# Altium PCB BUCK.PcbDoc (part 2 of 3)
Units mm, origin at the board's own origin, x right, y up, seen from the top; angles counter-clockwise.
Board outline 96.27 x 96.01 mm, 6 copper layers (Top Layer, Mid Layer 1, Mid Layer 2, Mid Layer 3, Mid Layer 4, Bottom Layer), stack 1.509 mm thick; 169 components, 78 nets, 522 pads, 1244 vias.
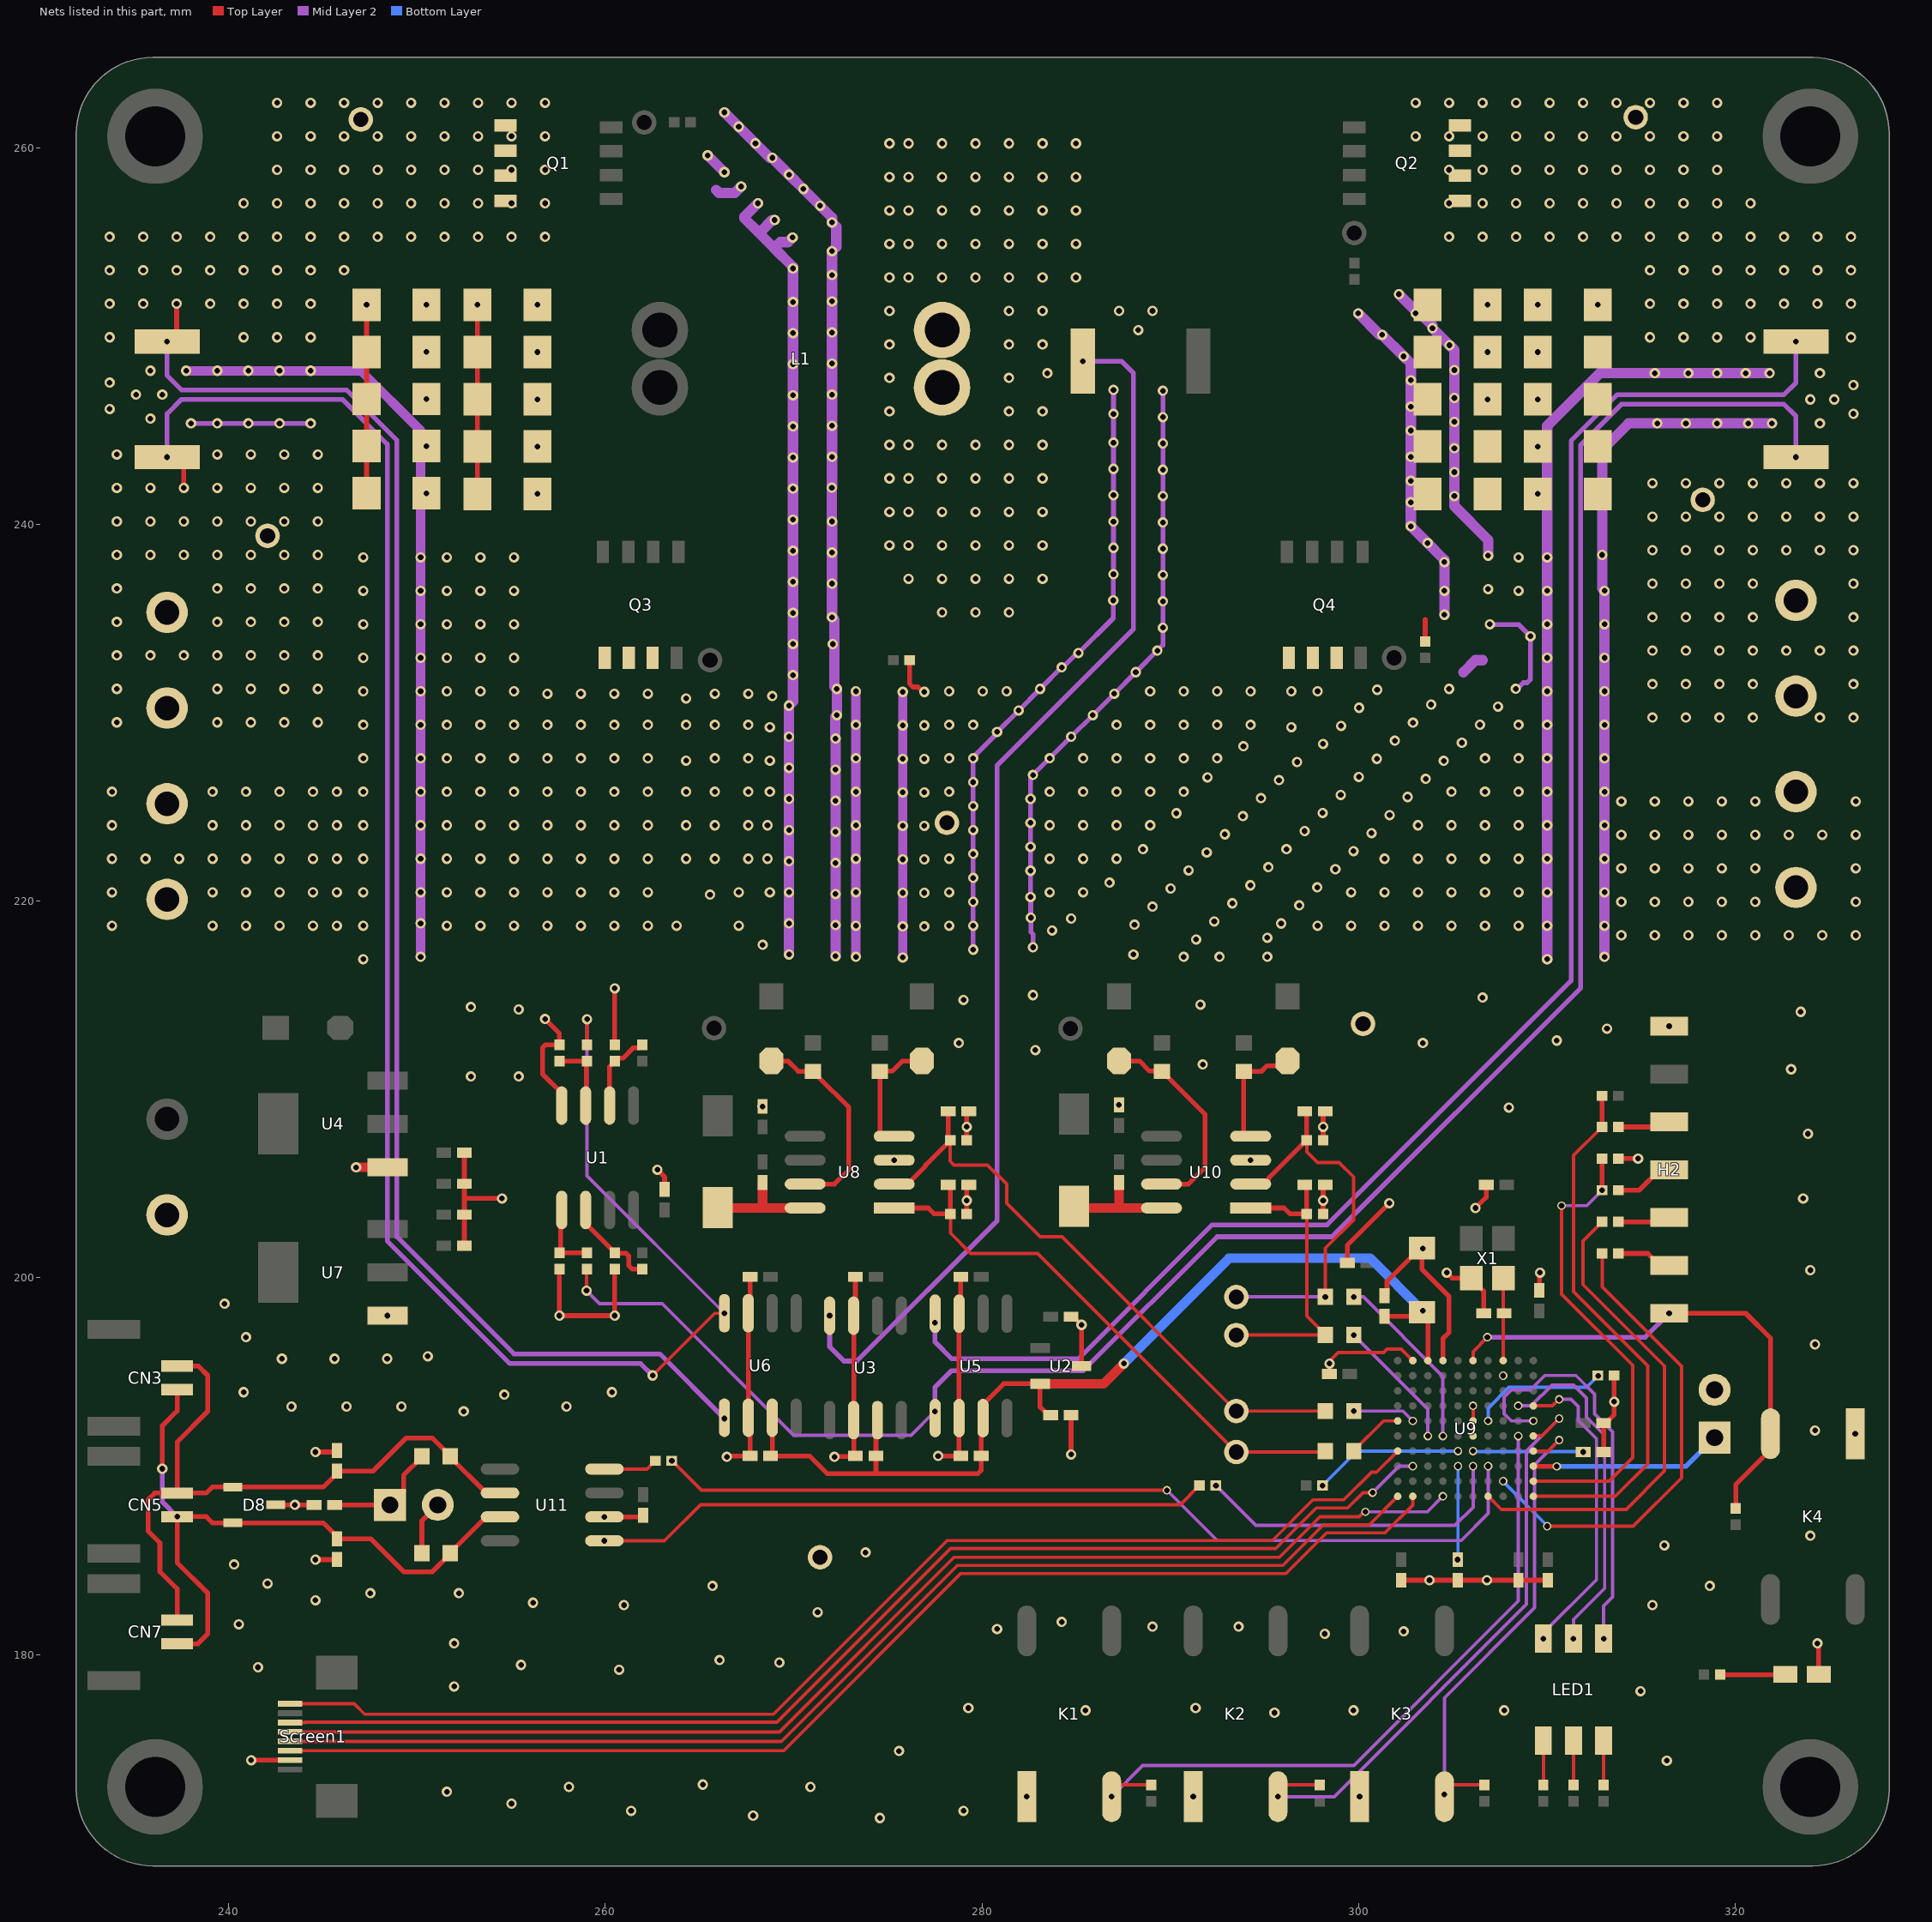
[diagram p6: the nets of this part, all layers, seen from the top]

## Via types
v1: diameter 0.55, hole 0.3, Top Layer to Bottom Layer, 1193 vias
v2: diameter 0.45, hole 0.3, Top Layer to Bottom Layer, 51 vias

## Nets (pads, with @x,y where several pads share a name; then routed paths per layer and width w, separated by ;. In a path a pad name is that pad's centre, name@x,y a point inside that pad or via, vN(x,y) a via of type N, cw(c..) or ccw(c..) an arc to the next point about the centre after c; other vN are vias at no path point) (continued)
C1N: C1.1 C2.2 C3.1 C4.1 C5.1 C6.1 C7.1 C8.2 C9.2 C10.2 C11.1 C12.1 C13.1 C14.2 C15.2 C16.2 C17.1 C18.2 C19.2 C20.2 C21.1 C22.1 C23.1 C24.2 C25.2 C26.2 C27.1 C28.1 C29.1 C30.2 C31.2 C32.2 C33.1 C34.2 C36.2 C37.1 C38.1 C39.2 C40.1 C41.2 C42.2 C43.2 C44.2 C45.1 C46.1 C47.1 C48.1 C50.2 C51.2 C52.1 C53.1 C54.1 C55.2 C56.1 C57.1 C58.1 CN4.2 CN6.1 CN6.2 CN8.1 CN8.2 D8.3 H1.2 H2.7 K1.1 K2.1 K3.1 K4.1 LED2.2 Q3.1 Q3.2 Q3.3 Q4.1 Q4.2 Q4.3 R7.2 R12.1 R18.1 R19.1 R21.1 R22.1 R28.1 R29.1 R32.1 R33.1 R35.1 R37.1 Screen1.2 TP5.1 TP6.1 TP7.1 U1.4 U2.3 U3.2 U3.7 U4.1 U5.2 U5.7 U6.2 U6.7 U7.1 U8.3 U9.C2 U9.E4 U9.E5 U9.E6 U9.G1 U9.J1 U10.3 U11.2 X1.2 | length 479.5
  Top Layer w0.178: C41.2@298.434,194.904 298.434,195.564 298.907,196.037 301.32,196.037 301.498,196.215 302.26,196.215 U9.J1@302.87,195.605 ; U9.E6@306.07,191.605 U9.E5@306.07,192.405 v2(306.07,193.205) ; C36.2@306.506,198.12 C36.2@306.631,198.12
  Top Layer w0.254: v1@241.173,174.371 v1(241.193,174.391) Screen1.2@243.248,174.391 ; D8.3@242.494,187.946 v1(243.512,187.946) C58.1@244.53,187.946 ; v1(244.602,185.039) 245.729,185.039 C57.1@245.745,185.055 ; v1(244.602,190.754) 245.664,190.754 C56.1@245.745,190.835 ; U4.1@248.43,205.867 U4.1@248.43,205.874 ; C29.1@252.511,201.713 C28.1@252.511,203.355 252.511,204.216 ; C12.1@252.511,206.64 252.511,204.216 ; v1(254.508,204.216) 252.511,204.216 ; v1(256.794,213.741) 257.56,212.975 R18.1@257.56,212.369 256.819,212.369 256.667,212.217 256.667,210.82 257.683,209.804 U1.4@257.683,209.147 ; R19.1@257.56,200.459 v1(257.56,197.993) v1(260.497,197.993) R12.1@260.497,200.459 ; v1(259.947,187.311) 261.919,187.311 C55.2@262.009,187.401 ; v1@260.477,215.392 v1(260.497,215.372) R7.2@260.497,212.369 ; v1(262.763,205.74) 263.144,205.359 C1.1@263.144,204.693 ; v1(266.446,190.5) 266.492,190.546 C4.1@267.679,190.546 267.679,192.554 267.589,192.554 267.589,198.098 267.679,198.098 C3.1@267.679,200.052 ; v1(272.161,190.5) 272.184,190.523 273.252,190.523 C5.1@273.275,190.546 ; C5.1@273.185,190.546 273.185,192.554 273.185,198.098 273.275,198.098 C22.1@273.275,200.052 ; R21.1@276.15,232.791 276.15,231.549 276.329,231.37 276.591,231.37 276.852,231.108 v1(276.932,231.108) ; v1@277.622,190.5 v1(277.668,190.546) C6.1@278.781,190.546 ; C6.1@278.871,190.546 C6.1@278.781,190.546 ; C23.1@278.871,200.052 278.871,198.098 U5.7@278.781,198.098 U5.2@278.781,192.554 C6.1@278.781,190.546 ; R28.1@279.184,203.393 v1(279.184,204.108) 279.184,204.822 C37.1@279.296,204.935 ; R29.1@279.184,207.309 v1(279.184,208.019) 279.184,208.729 C38.1@279.296,208.841 ; C7.1@284.726,192.715 284.726,190.635 v1(284.734,190.627) ; C2.2@284.726,197.935 284.851,197.935 v1(285.282,197.503) U2.3@285.282,195.326 ; R32.1@298.11,203.393 v1(298.11,204.108) 298.11,204.822 C52.1@298.222,204.935 ; R33.1@298.11,207.309 v1(298.11,208.019) 298.11,208.729 C53.1@298.222,208.841 ; C42.2@299.392,200.787 299.392,201.729 v1(301.625,203.962) ; C44.2@301.371,199.046 301.502,199.177 301.502,199.822 303.257,201.577 C39.2@303.357,201.577 303.357,200.452 304.8,199.009 304.8,197.104 304.47,196.774 U9.G1@304.47,195.605 U9.G1@304.498,195.633 ; C46.1@302.259,183.949 v1(303.757,183.949) C51.2@305.255,183.949 C45.1@310.047,183.949 ; R22.1@303.53,233.784 303.53,234.95 ; v1(304.673,200.279) 304.961,199.991 X1.2@305.982,199.991 305.982,199.941 306.631,199.292 C36.2@306.631,198.12 ; v1(306.197,203.708) 306.768,204.279 C34.2@306.768,204.943 ; C48.1@309.593,199.335 309.593,200.246 v1(309.626,200.279) ; C50.2@313.002,190.754 C47.1@313.002,192.291 313.127,192.291 313.563,192.727 v1(313.563,193.421) R35.1@313.563,194.818 ; R37.1@313.794,206.331 v1(314.833,206.331) ; v1(324.358,180.594) 324.422,180.53 LED2.2@324.422,178.943
  Top Layer w0.508: v1(246.761,205.867) U4.1@248.43,205.867
  Mid Layer 2 w0.254: v1(237.998,245.364) v1(239.395,245.364) v1(241.046,245.364) v1(242.697,245.364) v1(244.348,245.364) ; v1(279.527,217.424) v1(279.527,218.694) v1(279.527,219.964) v1(279.527,221.234) v1(279.527,222.504) v1(279.527,223.774) v1(279.527,225.044) v1(279.527,226.314) v1(279.527,227.584) 279.527,227.648 280.797,228.918 v1(280.797,228.981) v1(281.94,230.124) v1(283.083,231.267) v1(284.226,232.41) 284.289,232.41 285.051,233.172 v1(285.115,233.172) 286.968,235.025 v1(286.968,235.969) 286.972,235.973 286.972,237.353 v1(286.977,237.358) ; v1(282.702,217.551) 282.702,218.252 282.591,218.363 v1(282.591,219.12) 282.583,219.128 282.583,220.21 v1(282.575,220.218) v1(282.575,221.615) v1(282.575,222.885) v1(282.575,224.155) v1(282.575,225.425) 282.575,226.488 282.681,226.594 282.681,226.674 v1(282.702,226.695) v1(283.591,227.584) v1(284.734,228.727) v1(285.877,229.87) v1(287.02,231.013) v1(288.163,232.156) v1(289.306,233.299) 289.306,233.301 289.601,233.596 v1(289.601,234.519) v1(289.601,235.916) v1(289.601,237.313) v1(289.601,238.71) v1(289.601,240.107) v1(289.601,241.504) v1(289.601,242.901) v1(289.601,244.298) v1(289.601,245.695) v1(289.601,247.092) ; v1@286.977,237.278 v1(286.977,237.358) ; v1(286.977,247.137) v1(286.977,245.867) 286.977,245.842 v1(286.977,244.343) v1(286.977,242.946) v1(286.977,241.549) v1(286.977,240.152) v1(286.977,238.755) v1(286.977,237.358) ; 303.531,250.942 303.531,250.951 ; v1(306.959,234.696) 306.98,234.675 308.504,234.675 v1(309.118,234.061) 309.118,231.775 308.938,231.595 308.743,231.595 308.42,231.272 v1(308.34,231.272)
  Mid Layer 2 w0.5: v1(237.744,248.158) v1(239.395,248.158) v1(241.046,248.158) v1(242.697,248.158) v1(244.348,248.158) 247.015,248.158 250.19,244.983 ; v1(273.304,217.043) v1(273.304,218.694) v1(273.304,220.472) v1(273.304,222.25) v1(273.304,224.028) v1(273.304,225.806) v1(273.304,227.584) v1(273.304,229.362) v1(273.304,231.14) ; v1(275.789,217.011) v1(275.789,218.662) v1(275.789,220.44) v1(275.789,222.218) v1(275.789,223.996) v1(275.789,225.774) v1(275.789,227.552) v1(275.789,229.33) v1(275.789,231.108)
  Mid Layer 2 w0.508: v1(250.19,217.043) v1(250.19,218.821) v1(250.19,220.472) v1(250.19,222.25) v1(250.19,224.028) v1(250.19,225.806) v1(250.19,227.584) v1(250.19,229.362) v1(250.19,231.14) v1(250.19,232.918) v1(250.19,234.696) v1(250.19,236.474) v1(250.19,238.252) 250.19,244.983
  Mid Layer 2 w0.55: v1(265.43,259.588) v1(266.319,258.699) ; 265.881,257.753 266.036,257.599 266.87,257.599 v1(267.208,257.937) ; v1(266.319,261.874) v1(267.081,261.112) v1(267.97,260.223) 268.732,259.461 v1(268.859,259.461) v1(269.748,258.572) v1(270.51,257.81) v1(271.399,256.921) 272.034,256.286 v1(272.034,256.032) 272.262,255.804 272.262,254.736 v1(272.034,254.508) v1(272.034,253.238) v1(272.034,251.841) v1(272.034,250.19) v1(272.034,248.539) v1(272.034,246.888) v1(272.034,245.237) v1(272.034,243.586) 272.034,241.962 v1(272.021,241.949) 272.021,240.17 v1(272.034,240.157) v1(272.034,238.506) v1(272.034,236.855) v1(272.034,235.077) 272.161,234.95 272.161,231.394 v1(272.288,231.267) v1(272.288,229.87) 272.204,229.786 272.204,228.646 v1(272.218,228.632) v1(272.218,226.981) v1(272.218,225.33) v1(272.218,223.679) v1(272.218,222.028) v1(272.218,220.377) v1(272.218,218.726) v1(272.218,217.075) ; v1(268.097,257.048) 267.39,256.341 267.39,256.245 268.111,255.524 268.224,255.524 268.859,256.159 v1(268.986,256.159) ; 268.167,255.467 268.873,254.762 269.056,254.762 269.281,254.987 269.696,254.987 v1(269.939,255.23) ; 268.929,254.705 269.961,253.674 v1(269.961,253.588) v1(269.961,251.81) v1(269.961,250.159) v1(269.961,248.508) v1(269.961,246.857) v1(269.961,245.206) v1(269.961,243.555) v1(269.961,241.904) v1(269.961,240.253) v1(269.961,238.602) v1(269.961,236.951) v1(269.961,235.3) v1(269.961,233.649) v1(269.961,231.998) 269.961,230.591 v1(269.748,230.378) v1(269.748,228.727) v1(269.748,227.076) v1(269.748,225.425) v1(269.748,223.774) v1(269.748,222.123) v1(269.748,220.472) v1(269.748,218.821) v1(269.748,217.17) ; v1(299.974,251.206) 301.117,250.063 v1(301.244,250.063) v1(302.387,248.92) 302.768,248.539 v1(302.768,247.65) v1(302.768,246.253) v1(302.768,244.983) v1(302.768,243.586) v1(302.768,242.316) v1(302.768,241.173) v1(302.768,239.903) v1(303.657,239.014) 304.546,238.125 v1(304.546,237.998) v1(304.546,236.474) v1(304.546,235.204) ; v1(302.133,252.222) 303.022,251.333 v1(303.022,251.206) 303.276,251.206 303.531,250.951 ; 303.531,250.942 303.915,250.558 v1(303.915,250.416) 304.816,249.515 v1(304.823,249.515) 305.077,249.261 v1(305.077,248.193) v1(305.077,246.712) v1(305.077,245.442) v1(305.077,244.045) v1(305.077,242.775) v1(305.077,241.505) 305.077,240.973 306.872,239.178 v1(306.872,238.34) ; 305.562,232.156 306.197,232.791 306.578,232.791 ; v1(310.007,216.916) v1(310.007,218.694) v1(310.007,220.472) v1(310.007,222.25) v1(310.007,224.028) v1(310.007,225.806) v1(310.007,227.584) v1(310.007,229.362) v1(310.007,231.14) v1(310.007,232.918) v1(310.007,234.696) v1(310.007,236.474) v1(310.007,238.252) 310.007,245.237 312.801,248.031 v1(315.722,248.031) v1(317.5,248.031) v1(319.024,248.031) v1(320.548,248.031) v1(321.818,248.031) ; v1(313.055,217.043) v1(313.055,218.694) v1(313.055,220.472) v1(313.055,222.25) v1(313.055,224.028) v1(313.055,225.806) v1(313.055,227.584) v1(313.055,229.362) v1(313.055,231.14) v1(313.055,232.918) v1(313.055,234.696) v1(313.055,236.474) 312.928,236.601 v1(312.928,238.379) 312.928,243.967 314.325,245.364 v1(315.849,245.364) v1(317.373,245.364) v1(319.024,245.364) v1(320.675,245.364) v1(321.945,245.364)
  other v1: 274.574,171.323 267.843,171.45 261.366,171.704 279.019,171.704 255.016,172.085 282.377,172.459 291.213,172.459 300.048,172.459 251.587,172.72 258.064,172.974 270.891,172.974 265.176,173.101 316.357,174.371 275.59,174.879 295.529,176.911 285.496,177.038 299.72,177.038 307.721,177.038 279.273,177.165 291.338,177.165 314.96,178.054 251.968,178.308 260.731,179.197 241.554,179.324 255.524,179.451 269.24,179.578 266.065,179.705 251.968,180.594 298.196,181.102 302.387,181.229 280.797,181.356 289.052,181.483 293.624,181.483 240.538,181.61 284.226,181.737 271.272,182.245 260.985,182.626 315.595,182.626 256.159,182.753 244.602,182.88 247.523,183.261 252.222,183.261 265.684,183.642 318.643,183.642 242.062,183.769 306.807,183.952 240.284,184.785 273.812,185.42 316.23,185.801 323.977,186.309 326.365,191.725 324.231,191.897 252.476,192.913 243.332,193.167 246.253,193.167 249.174,193.167 257.937,193.167 254.635,193.802 240.792,193.929 260.35,193.929 298.45,195.453 242.824,195.707 245.618,195.707 248.412,195.707 250.571,195.834 324.231,196.469 240.919,196.85 248.43,197.993 239.776,198.628 323.977,200.406 303.403,201.549 323.596,204.216 275.336,206.248 294.262,206.248 323.85,207.645 307.975,209.042 268.343,209.101 287.268,209.178 252.857,210.693 255.397,210.693 322.961,211.074 291.719,211.328 282.829,212.09 278.765,212.471 303.403,212.471 310.515,212.598 313.182,213.233 316.484,213.36 323.469,214.122 255.397,214.249 252.857,214.376 291.592,214.503 279.019,214.757 306.578,214.884 282.702,215.011 247.142,216.916 290.703,217.043 292.608,217.043 295.148,217.043 288.036,217.17 268.351,217.678 291.369,217.963 295.148,218.059 313.944,218.186 315.722,218.186 317.5,218.186 319.278,218.186 321.056,218.186 322.834,218.186 324.612,218.186 326.39,218.186 283.718,218.44 276.932,218.662 233.807,218.694 239.141,218.694 240.919,218.694 242.697,218.694 244.475,218.694 245.745,218.694 247.142,218.694 251.587,218.694 253.365,218.694 255.143,218.694 256.921,218.694 258.699,218.694 260.477,218.694 262.255,218.694 263.779,218.694 267.081,218.694 278.257,218.694 297.815,218.694 299.593,218.694 301.371,218.694 303.149,218.694 304.927,218.694 306.705,218.694 308.483,218.694 288.093,218.751 295.882,218.814 292.328,218.922 284.734,219.075 289.052,219.71 296.841,219.773 293.288,219.882 313.944,219.964 315.722,219.964 317.5,219.964 319.278,219.964 321.056,219.964 326.39,219.964 265.557,220.345 276.932,220.44 233.807,220.472 239.141,220.472 240.919,220.472 242.697,220.472 244.475,220.472 245.745,220.472 247.142,220.472 251.587,220.472 253.365,220.472 255.143,220.472 256.921,220.472 258.699,220.472 260.477,220.472 262.255,220.472 267.081,220.472 268.732,220.472 278.257,220.472 283.591,220.472 285.369,220.472 299.593,220.472 301.371,220.472 303.149,220.472 304.927,220.472 306.705,220.472 308.483,220.472 290.011,220.669 297.801,220.733 294.247,220.841 286.766,220.98 290.971,221.629 298.76,221.692 313.944,221.742 315.722,221.742 317.5,221.742 319.278,221.742 321.056,221.742 326.39,221.742 295.206,221.8 276.932,222.218 233.807,222.25 235.585,222.25 237.363,222.25 239.141,222.25 240.919,222.25 242.697,222.25 244.475,222.25 245.745,222.25 247.142,222.25 251.587,222.25 253.365,222.25 255.143,222.25 256.921,222.25 258.699,222.25 260.477,222.25 262.255,222.25 264.287,222.25 265.811,222.25 267.589,222.25 268.605,222.25 278.257,222.25 283.591,222.25 285.369,222.25 287.147,222.25 301.371,222.25 303.149,222.25 304.927,222.25 306.705,222.25 308.483,222.25 291.93,222.588 299.719,222.652 288.544,222.758 296.166,222.76 313.944,223.52 315.722,223.52 317.5,223.52 319.278,223.52 321.056,223.52 322.834,223.52 324.612,223.52 326.39,223.52 292.889,223.547 300.679,223.611 297.125,223.719 276.932,223.996 233.807,224.028 239.141,224.028 240.919,224.028 242.697,224.028 244.475,224.028 245.745,224.028 247.142,224.028 251.587,224.028 253.365,224.028 255.143,224.028 256.921,224.028 258.699,224.028 260.477,224.028 262.255,224.028 264.287,224.028 265.811,224.028 267.589,224.028 268.605,224.028 283.591,224.028 285.369,224.028 287.147,224.028 288.925,224.028 303.149,224.028 304.927,224.028 306.705,224.028 308.483,224.028 293.849,224.507 301.638,224.57 290.322,224.663 298.084,224.678 313.944,225.298 315.722,225.298 317.5,225.298 319.278,225.298 321.056,225.298 326.39,225.298 294.808,225.466 302.598,225.53 299.044,225.638 276.932,225.774 233.807,225.806 239.141,225.806 240.919,225.806 242.697,225.806 244.475,225.806 245.745,225.806 247.142,225.806 251.587,225.806 253.365,225.806 255.143,225.806 256.921,225.806 258.699,225.806 260.477,225.806 262.255,225.806 264.287,225.806 265.811,225.806 267.589,225.806 268.732,225.806 278.257,225.806 283.591,225.806 285.369,225.806 287.147,225.806 288.925,225.806 290.703,225.806 304.927,225.806 306.705,225.806 308.483,225.806 295.768,226.426 303.557,226.489 291.973,226.568 300.003,226.597 296.727,227.385 264.287,227.457 268.732,227.457 304.516,227.448 276.932,227.552 300.963,227.557 247.142,227.584 251.587,227.584 253.365,227.584 255.143,227.584 256.921,227.584 258.699,227.584 260.477,227.584 262.255,227.584 265.811,227.584 267.589,227.584 278.257,227.584 285.369,227.584 287.147,227.584 288.925,227.584 290.703,227.584 292.481,227.584 306.705,227.584 308.483,227.584 293.878,228.219 298.102,228.344 305.476,228.408 301.922,228.516 268.732,229.235 296.418,229.235 299.061,229.304 276.932,229.33 247.142,229.362 251.587,229.362 253.365,229.362 255.143,229.362 256.921,229.362 258.699,229.362 260.477,229.362 262.255,229.362 264.287,229.362 265.811,229.362 267.589,229.362 278.257,229.362 279.527,229.362 287.147,229.362 288.925,229.362 290.703,229.362 292.481,229.362 294.259,229.362 306.435,229.367 308.483,229.362 302.881,229.475 300.021,230.263 307.394,230.327 303.841,230.435 264.287,230.759 268.859,230.886 256.921,231.013 258.699,231.013 260.477,231.013 262.255,231.013 265.811,231.013 267.589,231.013 247.142,231.14 251.587,231.14 253.365,231.14 255.143,231.14 278.257,231.14 280.035,231.14 281.305,231.14 288.925,231.14 290.703,231.14 292.481,231.14 294.259,231.14 296.418,231.14 297.815,231.14 300.98,231.222 304.8,231.267 247.142,232.918 251.587,232.918 253.365,232.918 255.143,232.918 272.071,233.647 247.142,234.696 251.587,234.696 253.365,234.696 255.143,234.696 247.142,236.474 251.587,236.474 253.365,236.474 255.143,236.474 308.483,236.474 306.872,236.562 247.142,238.252 251.587,238.252 253.365,238.252 255.143,238.252 308.483,238.252 256.388,241.623 309.501,241.623 250.504,241.657 256.388,244.131 309.501,244.131 250.504,244.157 324.485,245.364 235.839,245.618 326.263,245.872 233.68,246.126 256.388,246.639 309.501,246.639 323.977,246.634 325.247,246.634 250.504,246.656 235.077,246.888 236.474,246.888 326.263,247.396 233.68,247.523 324.485,248.031 235.839,248.158 250.504,249.156 256.388,249.148 309.501,249.148 288.29,250.317 287.274,251.333 289.052,251.333 250.504,251.656 256.388,251.656 309.501,251.656
  other v2: 307.67,194.805
C1P: C8.1 C9.1 C14.1 C15.1 C18.1 C19.1 C24.1 C25.1 C30.1 C31.1 Q1.5 Q1.6 Q1.7 Q1.8 R4.2 TP1.1 U6.1 | length 101.6
  Top Layer w0.254: v1(236.728,249.706) 237.236,249.706 v1(237.236,251.714) ; C18.1@247.319,241.657 C14.1@247.319,244.157 C15.1@247.319,246.656 C8.1@247.319,249.156 v1(247.319,251.656) ; C31.1@253.203,241.623 C24.1@253.203,244.131 C25.1@253.203,246.639 C30.1@253.203,249.148 v1(253.203,251.656)
  Mid Layer 2 w0.254: v1(236.728,249.706) 236.728,247.904 237.49,247.142 246.253,247.142 248.93,244.465 248.93,202.174 255.143,195.961 262.89,195.961 v1(266.319,192.532)
  other v1: 233.68,249.936 240.792,249.936 242.57,249.936 244.348,249.936 233.68,251.714 235.458,251.714 239.014,251.714 240.792,251.714 242.57,251.714 244.348,251.714 233.68,253.492 235.458,253.492 237.236,253.492 239.014,253.492 240.792,253.492 242.57,253.492 244.348,253.492 246.126,253.492 233.68,255.27 235.458,255.27 237.236,255.27 239.014,255.27 240.792,255.27 242.57,255.27 244.348,255.27 246.126,255.27 247.904,255.27 249.682,255.27 251.46,255.27 253.238,255.27 255.016,255.27 256.794,255.27 240.792,257.048 242.57,257.048 244.348,257.048 246.126,257.048 247.904,257.048 249.682,257.048 251.46,257.048 253.238,257.048 255.016,257.048 256.794,257.048 242.57,258.826 244.348,258.826 246.126,258.826 247.904,258.826 249.682,258.826 251.46,258.826 253.238,258.826 255.016,258.826 256.794,258.826 242.57,260.604 244.348,260.604 246.126,260.604 247.904,260.604 249.682,260.604 251.46,260.604 253.238,260.604 255.016,260.604 256.794,260.604 242.57,262.382 244.348,262.382 246.126,262.382 247.904,262.382 249.682,262.382 251.46,262.382 253.238,262.382 255.016,262.382 256.794,262.382
C2P: C10.1 C11.2 C16.1 C17.2 C20.1 C21.2 C26.1 C27.2 C32.1 C33.2 Q2.5 Q2.6 Q2.7 Q2.8 R6.1 TP2.1 U5.8 | length 87.5
  Mid Layer 2 w0.254: v1(277.495,197.612) 277.495,196.596 278.39,195.701 285.109,195.701 292.221,202.813 298.317,202.813 311.277,215.773 311.277,244.431 313.734,246.888 322.58,246.888 323.215,247.523 v1(323.215,249.706)
  other v1: 306.836,246.639 306.836,249.148 315.468,249.936 317.246,249.936 319.024,249.936 320.802,249.936 326.136,249.936 306.836,251.656 312.686,251.656 315.468,251.714 317.246,251.714 319.024,251.714 320.802,251.714 322.58,251.714 324.358,251.714 326.136,251.714 315.468,253.492 317.246,253.492 319.024,253.492 320.802,253.492 322.58,253.492 324.358,253.492 326.136,253.492 304.8,255.27 306.578,255.27 308.356,255.27 310.134,255.27 311.912,255.27 313.69,255.27 315.468,255.27 317.246,255.27 319.024,255.27 320.802,255.27 322.58,255.27 324.358,255.27 326.136,255.27 304.8,257.048 306.578,257.048 308.356,257.048 310.134,257.048 311.912,257.048 313.69,257.048 315.468,257.048 317.246,257.048 319.024,257.048 320.802,257.048 304.8,258.826 306.578,258.826 308.356,258.826 310.134,258.826 311.912,258.826 313.69,258.826 315.468,258.826 317.246,258.826 319.024,258.826 303.022,260.604 304.8,260.604 306.578,260.604 308.356,260.604 310.134,260.604 311.912,260.604 313.69,260.604 315.468,260.604 317.246,260.604 319.024,260.604 303.022,262.382 304.8,262.382 306.578,262.382 308.356,262.382 310.134,262.382 311.912,262.382 313.69,262.382 315.468,262.382 317.246,262.382 319.024,262.382
CAN_RX: R34.2 U11.4 | length 2.9
  Top Layer w0.178: U11.4@259.947,189.851 262.207,189.851 262.646,190.29 R34.2@262.659,190.29
CAN_TX: R24.2 U11.1 | length 32.8
  Top Layer w0.178: v2(259.947,186.041) 263.13,186.041 265.049,187.96 290.524,187.96 R24.2@291.54,188.976
CANH: C57.2 CN3.1 CN5.1 CN7.1 D8.2 R40.2 U11.7 | length 35.8
  Top Layer w0.254: v1(236.474,189.865) 236.474,192.151 237.26,192.937 CN3.1@237.26,194.066 ; CN7.1@237.26,180.575 238.36,180.575 238.887,181.102 238.887,183.261 237.26,184.888 v1(237.26,187.321) 238.805,187.321 239.13,186.996 D8.2@240.226,186.996 245.02,186.996 245.745,186.27 C57.2@245.745,186.145 247.545,186.145 249.301,184.39 250.806,184.39 251.763,185.346 R40.2@251.763,185.375 251.763,185.404 253.67,187.311 U11.7@254.403,187.311
  Mid Layer 2 w0.254: v1(236.474,189.865) 236.474,188.107 v1(237.26,187.321)
CANL: C56.2 CN3.2 CN5.2 CN7.2 D8.1 R39.2 U11.6 | length 37.2
  Top Layer w0.254: CN7.2@237.26,181.825 237.26,183.491 236.347,184.404 236.347,185.928 235.712,186.563 235.712,188.214 236.069,188.571 CN5.2@237.26,188.571 ; CN3.2@237.26,195.316 238.389,195.316 238.887,194.818 238.887,192.913 237.26,191.286 CN5.2@237.26,188.571 ; U11.6@254.403,188.581 253.673,188.581 251.763,190.49 R39.2@251.763,190.519 251.763,190.548 250.809,191.502 249.428,191.502 247.672,189.745 C56.2@245.745,189.745 245.745,189.62 245.02,188.896 D8.1@240.226,188.896 239.129,188.896 238.805,188.571 CN5.2@237.26,188.571
CS: Screen1.8 U9.K7 | length 64.8
  Top Layer w0.178: Screen1.8@243.248,177.391 246.662,177.391 247.218,176.835 268.923,176.835 278.143,186.055 295.415,186.055 297.574,188.214 299.212,188.214 300.677,189.679 300.944,189.679 U9.K7@302.07,190.805
Iin+: CN1.1 CN1.2 R4.1 R15.2 TP3.1 U6.8 | length 102.3
  Top Layer w0.178: v1(259.024,213.733) 259.024,212.373 R15.2@259.029,212.369 ; v1(262.509,194.818) 265.811,198.12 v1(266.319,198.12)
  Top Layer w0.254: v1(236.728,243.573) 237.617,243.573 v1(237.617,241.935)
  Mid Layer 2 w0.178: v1(259.024,213.733) 259.024,205.415 v1(266.319,198.12)
  Mid Layer 2 w0.254: v1(236.728,243.573) 236.728,245.872 237.49,246.634 246.043,246.634 248.422,244.255 248.422,201.964 254.933,195.453 261.874,195.453 v1(262.509,194.818)
  other v1: 234.061,229.489 239.395,229.489 241.173,229.489 242.951,229.489 244.729,229.489 234.061,231.267 239.395,231.267 241.173,231.267 242.951,231.267 244.729,231.267 234.061,233.045 235.839,233.045 237.617,233.045 239.395,233.045 241.173,233.045 242.951,233.045 244.729,233.045 234.061,234.823 239.395,234.823 241.173,234.823 242.951,234.823 244.729,234.823 234.061,236.601 239.395,236.601 241.173,236.601 242.951,236.601 244.729,236.601 234.061,238.379 235.839,238.379 237.617,238.379 239.395,238.379 241.173,238.379 242.951,238.379 244.729,238.379 234.061,240.157 235.839,240.157 237.617,240.157 239.395,240.157 241.173,240.157 242.951,240.157 244.729,240.157 234.061,241.935 235.839,241.935 239.395,241.935 241.173,241.935 242.951,241.935 244.729,241.935 234.061,243.713 239.395,243.713 241.173,243.713 242.951,243.713 244.729,243.713
IL+: L1.2 R5.1 U3.8 | length 64.9
  Mid Layer 2 w0.254: v1(271.907,197.993) 271.907,196.342 272.669,195.58 273.348,195.58 280.797,203.029 280.797,227.203 288.036,234.442 288.036,248.031 287.401,248.666 v1(285.351,248.666)
  other v1: 277.876,235.331 279.654,235.331 281.432,235.331 276.098,237.109 277.876,237.109 279.654,237.109 281.432,237.109 283.21,237.109 275.082,238.887 276.098,238.887 277.876,238.887 279.654,238.887 281.432,238.887 283.21,238.887 275.082,240.665 276.098,240.665 277.876,240.665 279.654,240.665 281.432,240.665 283.21,240.665 275.082,242.443 276.098,242.443 277.876,242.443 279.654,242.443 281.432,242.443 283.21,242.443 275.082,244.221 276.098,244.221 277.876,244.221 279.654,244.221 281.432,244.221 283.21,244.221 275.082,245.999 281.432,245.999 283.21,245.999 275.082,247.777 281.432,247.777 283.464,248.031 275.082,249.555 281.432,249.555 283.21,249.555 275.082,251.333 281.432,251.333 283.21,251.333 275.082,253.111 276.098,253.111 277.876,253.111 279.654,253.111 281.432,253.111 283.21,253.111 284.988,253.111 275.082,254.889 276.098,254.889 277.876,254.889 279.654,254.889 281.432,254.889 283.21,254.889 284.988,254.889 275.082,256.667 276.098,256.667 277.876,256.667 279.654,256.667 281.432,256.667 283.21,256.667 284.988,256.667 275.082,258.445 276.098,258.445 277.876,258.445 279.654,258.445 281.432,258.445 283.21,258.445 284.988,258.445 275.082,260.223 276.098,260.223 277.876,260.223 279.654,260.223 281.432,260.223 283.21,260.223 284.988,260.223
Iout-: CN2.1 CN2.2 R6.2 R17.1 TP4.1 U5.1 | length 111.3
  Top Layer w0.178: v1(258.999,199.321) 258.999,200.429 R17.1@259.029,200.459
  Mid Layer 2 w0.178: v1(258.999,199.321) 259.691,198.628 263.017,198.628 270.002,191.643 276.225,191.643 v1(277.495,192.913)
  Mid Layer 2 w0.254: v1(277.495,192.913) 277.495,194.183 278.384,195.072 285.369,195.072 292.481,202.184 298.577,202.184 311.785,215.392 311.785,244.221 313.944,246.38 322.58,246.38 323.215,245.745 v1(323.215,243.573)
  other v1: 315.595,229.743 317.373,229.743 319.151,229.743 320.929,229.743 324.485,229.743 326.263,229.743 315.595,231.521 317.373,231.521 319.151,231.521 320.929,231.521 326.263,231.521 315.595,233.299 317.373,233.299 319.151,233.299 320.929,233.299 322.707,233.299 324.485,233.299 326.263,233.299 315.595,235.077 317.373,235.077 319.151,235.077 320.929,235.077 326.263,235.077 315.595,236.855 317.373,236.855 319.151,236.855 320.929,236.855 326.263,236.855 315.595,238.633 317.373,238.633 319.151,238.633 320.929,238.633 322.707,238.633 324.485,238.633 326.263,238.633 315.595,240.411 317.373,240.411 319.151,240.411 320.929,240.411 322.707,240.411 324.485,240.411 326.263,240.411 315.595,242.189 317.373,242.189 319.151,242.189 320.929,242.189 322.707,242.189 324.485,242.189 326.263,242.189
Key1: K1.3 R9.1 U9.B6 | length 37.2
  Top Layer w0.178: v1(286.877,172.459) 286.877,172.705 287.257,173.085 R9.1@288.988,173.085
  Mid Layer 2 w0.178: v1(286.877,172.459) 288.536,174.117 299.744,174.117 308.47,182.843 v2(308.47,191.605)
Key2: K2.3 R10.1 U9.A6 | length 32.4
  Top Layer w0.178: v1(295.713,172.459) 295.713,172.705 296.092,173.085 R10.1@297.936,173.085 ; U9.A6@309.27,191.605 309.292,191.627 309.737,191.627 v2(310.642,192.532)
  Mid Layer 2 w0.178: v1(295.713,172.459) 298.697,172.459 308.902,182.664 308.902,190.792 v2(310.642,192.532)
Key3: K3.3 R11.1 U9.A7 | length 25.5
  Top Layer w0.178: K3.3@304.548,172.459 v1(304.548,172.582) 304.548,172.705 304.928,173.085 R11.1@306.666,173.085 ; U9.A7@309.27,190.805 310.058,190.805 v2(310.642,191.389)
  Mid Layer 2 w0.178: v1(304.548,172.582) 304.548,177.699 309.334,182.485 309.334,190.081 v2(310.642,191.389)
LEDB-: LED1.1 U9.A4 | length 16.6
  Top Layer w0.178: U9.A4@309.27,193.205 310.299,193.205 v2(310.642,193.548)
  Mid Layer 2 w0.178: v2(309.804,180.848) 309.821,180.865 309.821,181.17 312.623,183.972 312.623,191.464 311.658,192.429 311.658,193.167 311.277,193.548 v2(310.642,193.548)
LEDG-: LED1.5 U9.A5 | length 21.9
  Mid Layer 2 w0.178: v2(309.27,192.405) 308.102,192.405 307.721,192.786 307.721,193.675 308.102,194.056 309.118,194.056 309.88,194.818 311.531,194.818 312.522,193.827 312.522,192.787 313.487,191.822 313.487,183.058 313.004,182.575 v2(313.004,180.848)
LEDR-: LED1.3 U9.B4 | length 18.2
  Mid Layer 2 w0.178: v2(308.47,193.205) 309.156,193.205 310.261,194.31 311.404,194.31 312.09,193.624 312.09,192.608 313.055,191.643 313.055,183.515 311.404,181.864 v2(311.404,180.848)
NetC35_1: C35.1 D2.2 U8.8 | length 6
  Top Layer w0.254: D2.2@265.961,203.721 D2.2@265.974,203.708 ; 268.289,203.708 268.343,203.762
  Top Layer w0.508: D2.2@265.974,203.708 268.289,203.708 U8.8@270.604,203.708 ; 268.343,203.762 C35.1@268.343,205.068
NetC49_1: C49.1 D5.2 U10.8 | length 6
  Top Layer w0.254: D5.2@284.886,203.799 D5.2@284.977,203.708 ; 287.253,203.708 287.268,203.723
  Top Layer w0.508: D5.2@284.977,203.708 287.253,203.708 U10.8@289.529,203.708 ; 287.268,203.723 C49.1@287.268,205.068
NetC50_1: C50.1 U9.E7 | length 5.9
  Mid Layer 2 w0.178: v2(306.07,190.805) v2@306.095,190.78 ; v2@311.886,190.78 v2(311.912,190.754)
  Bottom Layer w0.178: v2(306.07,190.805) 306.095,190.78 311.886,190.78 v2(311.912,190.754)
NetC51_1: C51.1 U9.F8 | length 5.1
  Mid Layer 2 w0.178: v2@305.261,189.996 v2(305.27,190.005)
  Bottom Layer w0.178: v2@305.27,184.951 v2(305.27,190.005)
  other v2: 305.255,185.039
NetC58_2: C58.2 H3.1 R39.1 | length 6.2
  Top Layer w0.254: C58.2@245.62,187.946 H3.1@248.561,187.946 249.284,188.669 249.284,189.518 250.256,190.49 R39.1@250.256,190.519
NetD3_2: D3.2 R26.1 U8.7 | length 11.1
  Top Layer w0.254: D3.2@268.82,211.514 269.689,211.514 270.238,210.965 271.047,210.965 271.323,210.688 271.323,210.66 272.923,209.06 272.923,205.74 272.161,204.978 U8.7@270.604,204.978
NetD4_2: D4.2 R27.1 U8.4 | length 6.6
  Top Layer w0.254: U8.4@275.336,207.518 274.726,207.518 274.574,207.67 R27.1@274.574,210.965 274.586,210.976 275.238,210.976 275.776,211.514 D4.2@276.81,211.514
NetD6_2: D6.2 R30.1 U10.7 | length 11.3
  Top Layer w0.254: D6.2@287.268,211.514 288.358,211.514 288.896,210.976 289.548,210.976 R30.1@289.56,210.965 289.589,210.965 289.865,210.688 289.865,210.66 291.846,208.679 291.846,205.867 290.957,204.978 U10.7@289.529,204.978
NetD7_2: D7.2 R31.1 U10.4 | length 6.3
  Top Layer w0.254: U10.4@294.262,207.518 294.045,207.518 293.893,207.67 R31.1@293.893,210.965 294.843,210.965 295.138,211.26 295.962,211.26 D7.2@296.216,211.514
NetH3_2: H3.2 R40.1 | length 2.9
  Top Layer w0.254: R40.1@250.256,185.375 250.256,187.101 H3.2@251.101,187.946
NetH?_2: H2.2 R47.1 | length 3
  Top Layer w0.254: R47.1@313.794,201.295 315.349,201.295 315.984,200.66 H2.2@316.484,200.66
NetH?_3: H2.3 R45.1 | length 2.8
  Top Layer w0.254: R45.1@313.794,202.974 316.258,202.974 H2.3@316.484,203.2
NetH?_4: H2.4 R43.1 | length 3.1
  Top Layer w0.254: R43.1@313.794,204.652 314.896,204.652 315.984,205.74 H2.4@316.484,205.74
NetH?_5: H2.5 R41.1 | length 2.8
  Top Layer w0.254: R41.1@313.794,208.01 316.214,208.01 H2.5@316.484,208.28
NetLED1_2: LED1.2 R1.1 | length 2.4
  Top Layer w0.178: R1.1@309.804,173.085 LED1.2@309.804,175.438
NetLED1_4: LED1.4 R8.1 | length 2.4
  Top Layer w0.178: R8.1@311.404,173.085 LED1.4@311.404,175.438
NetLED1_6: LED1.6 R16.2 | length 2.4
  Top Layer w0.178: R16.2@313.004,173.085 LED1.6@313.004,175.438
NetLED2_1: LED2.1 R20.2 | length 3.5
  Top Layer w0.254: R20.2@319.194,178.936 322.638,178.936 LED2.1@322.644,178.943
NetR2_1: R2.1 R7.1 U1.2 | length 4.3
  Top Layer w0.254: U1.2@260.223,209.147 260.223,211.216 260.497,211.49 260.497,211.516 260.64,211.659 260.929,211.659 261.483,212.213 261.822,212.213 261.965,212.356 R2.1@261.965,212.369
NetR3_1: R3.1 R12.2 U1.6 | length 5
  Top Layer w0.254: U1.6@258.953,203.603 258.953,202.881 260.522,201.312 261.089,201.312 261.238,201.163 261.238,200.661 261.44,200.459 R3.1@261.965,200.459
NetR15_1: R15.1 R18.2 U1.3 | length 3.9
  Top Layer w0.254: R18.2@257.56,211.503 R15.1@259.029,211.503 258.991,211.465 258.991,209.185 U1.3@258.953,209.147
NetR17_2: R17.2 R19.2 U1.5 | length 3.8
  Top Layer w0.254: U1.5@257.683,203.603 257.622,203.541 257.622,201.386 R19.2@257.56,201.325 R17.2@259.029,201.325
NetR24_1: R24.1 U9.E8 | length 17.1
  Top Layer w0.178: R24.1@292.406,188.976 v1(292.419,188.976)
  Mid Layer 2 w0.178: v1(292.419,188.976) 294.54,186.855 305.104,186.855 306.07,187.821 v2(306.07,190.005)
NetR34_1: R34.1 U9.D8 | length 48.2
  Top Layer w0.178: R34.1@263.525,190.29 v2(263.531,190.29) 263.538,190.29 265.106,188.722 v2(289.814,188.722)
  Mid Layer 2 w0.178: v2(289.814,188.722) 292.481,186.055 305.435,186.055 306.87,187.49 v2(306.87,190.005)
NetR35_2: R35.2 U9.D5 | length 7.2
  Bottom Layer w0.178: v2(306.87,192.405) 306.87,193.078 307.975,194.183 312.1,194.183 v2(312.712,194.795)
NetR36_2: R36.2 U9.F7 | length 8
  Bottom Layer w0.178: v2@298.055,188.962 299.898,190.805 v2(305.27,190.805)
  other v2: 298.069,188.976
NetR42_1: R42.1 U9.J5 | length 3.4
  Mid Layer 2 w0.178: v2@299.756,192.905 v2(299.733,192.929) 302.346,192.929 v2(302.87,192.405)
NetR44_1: R44.1 U9.K5 | length 3
  Top Layer w0.178: R44.1@299.733,190.796 299.733,190.825 301.313,192.405 U9.K5@302.07,192.405
NetR46_1: R46.1 U9.G6 | length 9.6
  Mid Layer 2 w0.178: v2(299.733,198.987) 300.25,198.987 304.47,194.767 v2(304.47,191.605)
NetR48_1: R48.1 U9.H6 | length 7
  Mid Layer 2 w0.178: v2(299.733,196.964) 303.67,193.027 v2(303.67,191.605)
NRST: H2.1 K4.3 R25.2 U9.E1 | length 27.5
  Top Layer w0.178: U9.E1@306.07,195.605 306.07,196.088 v2(306.832,196.85)
  Top Layer w0.254: v1(316.484,198.12) 320.548,198.12 321.865,196.803 K4.3@321.865,191.725 321.865,190.875 320.015,189.025 R25.2@320.015,187.758
  Mid Layer 2 w0.254: v2(306.832,196.85) 315.214,196.85 v1(316.484,198.12)
OSC_IN: C36.1 U9.C1 X1.3 | length 4.4
  Top Layer w0.178: U9.C1@307.67,195.605 307.67,198.069 C36.1@307.721,198.12 307.682,198.159 X1.3@307.682,199.991
PWM_IN: H1.1 U9.A8 | length 10.3
  Top Layer w0.254: U9.A8@309.27,190.005 309.283,189.992 v2(310.515,189.992)
  Bottom Layer w0.254: v2(310.515,189.992) 317.373,189.992 H1.1@318.897,191.516
PWMAH: C37.2 R28.2 R44.2 TP20.1 U8.1 | length 30.5
  Top Layer w0.178: R28.2@278.318,203.393 278.318,202.377 279.4,201.295 282.956,201.295 TP20.1@293.497,190.754 298.184,190.754 R44.2@298.226,190.796
  Top Layer w0.254: U8.1@275.336,203.708 277.143,203.708 277.458,203.393 R28.2@278.318,203.393 278.318,204.822 C37.2@278.206,204.935
PWMAL: C38.2 R29.2 R42.2 TP19.1 U8.2 | length 32.7
  Top Layer w0.178: R29.2@278.306,207.309 278.306,206.199 278.511,205.994 280.289,205.994 281.305,204.978 281.305,203.962 283.083,202.184 284.242,202.184 TP19.1@293.497,192.929 R42.2@298.226,192.929
  Top Layer w0.254: U8.2@275.336,204.978 276.043,204.978 277.003,205.938 277.003,205.994 278.163,207.153 278.163,207.166 R29.2@278.306,207.309 ; C38.2@278.206,208.841 278.206,207.309 R29.2@278.306,207.309 ; R29.2@278.318,207.309 R29.2@278.306,207.309
PWMBH: C52.2 R32.2 R48.2 TP22.1 U10.1 | length 16.3
  Top Layer w0.178: TP22.1@293.497,196.964 R48.2@298.226,196.964 298.226,196.993 297.244,197.975 R32.2@297.244,203.393
  Top Layer w0.254: U10.1@294.262,203.708 296.037,203.708 296.352,203.393 R32.2@297.244,203.393 297.244,204.822 C52.2@297.132,204.935
PWMBL: C53.2 R33.2 R46.2 TP21.1 U10.2 | length 20.9
  Top Layer w0.178: R33.2@297.244,207.309 297.244,206.692 297.815,206.121 298.958,206.121 299.72,205.359 299.72,203.073 298.226,201.579 v2(298.226,198.987)
  Top Layer w0.254: U10.2@294.262,204.978 294.969,204.978 295.2,205.209 295.2,205.278 297.231,207.309 R33.2@297.244,207.309 297.244,208.729 C53.2@297.132,208.841
  Mid Layer 2 w0.178: TP21.1@293.497,198.987 v2(298.226,198.987)
RESET: Screen1.3 U9.J10 | length 64.9
  Top Layer w0.178: Screen1.3@243.882,174.898 269.464,174.898 278.869,184.302 296.141,184.302 298.3,186.461 301.396,186.461 302.87,187.935 U9.J10@302.87,188.405
RS: Screen1.4 U9.K10 | length 64.2
  Top Layer w0.178: Screen1.4@243.248,175.391 269.347,175.391 278.69,184.734 295.962,184.734 298.121,186.893 300.558,186.893 U9.K10@302.07,188.405
SCL: Screen1.6 U9.J8 | length 64.6
  Top Layer w0.178: 243.91,176.398 244.04,176.398 244.045,176.403 269.101,176.403 278.322,185.623 295.594,185.623 297.753,187.782 299.415,187.782 300.228,188.595 v2(300.736,188.595)
  Mid Layer 2 w0.178: v2(300.736,188.595) 302.146,190.005 v2(302.87,190.005)
SDA: Screen1.5 U9.G10 | length 66.4
  Top Layer w0.178: Screen1.5@243.248,175.891 246.257,175.891 246.253,175.895 269.24,175.895 278.511,185.166 295.783,185.166 297.942,187.325 300.027,187.325 300.281,187.579 v2(300.355,187.579)
  Mid Layer 2 w0.178: v2(300.355,187.579) 303.644,187.579 v2(304.47,188.405)
SWCLK: R37.2 R43.2 U9.A9 | length 24.9
  Top Layer w0.178: U9.A9@309.27,189.205 313.296,189.205 314.541,190.45 314.541,195.364 310.769,199.136 v2(310.769,203.835)
  Top Layer w0.254: v2(312.928,204.652) R37.2@312.928,206.331
  Mid Layer 2 w0.178: v2(310.769,203.835) 312.111,203.835 v2(312.928,204.652)
SWDIO: R38.2 R41.2 U9.A10 | length 28.6
  Top Layer w0.178: U9.A10@309.27,188.405 313.627,188.405 315.341,190.119 315.341,195.326 311.404,199.263 311.404,206.502 R41.2@312.92,208.018
  Top Layer w0.254: R41.2@312.928,208.01 R38.2@312.928,209.661
USART1_RX: R45.2 U9.D10 | length 25.9
  Top Layer w0.178: U9.D10@306.87,188.405 307.569,187.706 314.198,187.706 316.239,189.747 316.239,195.317 311.912,199.644 311.912,201.958 R45.2@312.928,202.974
USART1_TX: R47.2 U9.C9 | length 25.2
  Top Layer w0.178: v2(310.007,186.817) 314.579,186.817 317.137,189.375 317.137,195.308 312.928,199.517 R47.2@312.928,201.295
  Bottom Layer w0.178: v2(307.67,189.205) 307.67,189.179 310.007,186.843 v2(310.007,186.817)
Vref+: C4.2 C5.2 C6.2 C7.2 C39.1 C44.1 U2.2 U3.3 U5.3 U6.3 U9.H1 | length 54.7
  Top Layer w0.254: U6.3@268.859,192.554 268.859,190.636 cw(c268.769,190.636) C4.2@268.769,190.546 268.859,190.546 270.845,190.546 271.78,189.611 274.32,189.611 ; U3.3@274.455,192.554 ccw(c274.455,192.464) 274.365,192.464 C5.2@274.365,190.546 274.365,189.656 274.32,189.611 ; C7.2@283.636,192.715 283.511,192.715 283.079,193.146 U2.2@283.079,194.376 281.145,194.376 280.051,193.282 U5.3@280.051,192.554 ccw(c280.051,192.464) 279.961,192.464 C6.2@279.961,190.546 279.961,189.791 279.781,189.611 274.32,189.611 ; C44.1@301.371,197.956 303.135,197.956 C39.1@303.357,198.177 303.67,197.864 U9.H1@303.67,195.605
  Top Layer w0.508: U2.2@283.079,194.376 286.451,194.376 v1(287.528,195.453)
  Bottom Layer w0.508: v1(287.528,195.453) 293.116,201.041 300.609,201.041 v1(303.403,198.247)
pads on no net: CN3.3 CN3.4 CN5.3 CN5.4 CN7.3 CN7.4 K1.2 K1.4 K2.2 K2.4 K3.2 K3.4 K4.2 K4.4 M1.1 M2.1 M3.1 M4.1 Screen1.0 U3.4 U5.4 U6.4 U9.A1 U9.A2 U9.A3 U9.B1 U9.B3 U9.B5 U9.B7 U9.B8 U9.B9 U9.B10 U9.C3 U9.C4 U9.C5 U9.C6 U9.C7 U9.C8 U9.C10 U9.D1 U9.D3 U9.D4 U9.D6 U9.D7 U9.D9 U9.E2 U9.E3 U9.E9 U9.E10 U9.F9 U9.G2 U9.G3 U9.G4 U9.G5 U9.G7 U9.G8 U9.G9 U9.H2 U9.H3 U9.H4 U9.H5 U9.H7 U9.H8 U9.H9 U9.H10 U9.J3 U9.J4 U9.J6 U9.J7 U9.J9 U9.K3 U9.K4 U9.K6 U9.K8 U9.K9 U11.5 U11.8 X1.1

## Polygon pours and split planes (outlines as drawn)
C1N on Mid Layer 2 "C1N_L03_P001" (solid, remove dead copper, pour order 1): 232.791,216.662 232.791,256.413 240.284,256.413 240.284,263.906 319.659,263.906 319.659,256.413 327.152,256.413 327.152,216.662
C1N on Mid Layer 1 "C1N_L02_P002" (solid, remove dead copper, pour order 2): 232.791,217.551 232.791,177.165 240.284,177.165 240.284,169.545 319.786,169.545 319.786,177.165 327.152,177.165 327.152,217.551
C1N on Mid Layer 3 "C1N_L04_P003" (solid, remove dead copper, pour order 3): 232.791,256.413 237.744,256.413 ccw(c237.744,258.953) 240.284,258.953 240.284,263.906 319.659,263.906 319.659,258.953 ccw(c322.199,258.953) 322.199,256.413 327.152,256.413 327.152,177.165 319.786,177.165 319.786,169.545 240.284,169.545 240.284,177.165 232.791,177.165
+3V3 on Mid Layer 4 "+3V3_L05_P004" (solid, remove dead copper, pour order 4): 232.791,215.265 327.152,215.265 327.152,177.165 319.786,177.165 319.786,169.545 240.284,169.545 240.284,177.165 232.791,177.165
C1N on Bottom Layer "C1N_L06_P005" (solid, remove dead copper, pour order 5): 232.791,177.165 240.284,177.165 240.284,169.545 319.786,169.545 319.786,177.165 327.152,177.165 327.152,217.297 232.791,217.297

## Other copper
Top Layer:
  region net C2P: 327.152,249.047 313.69,249.047 313.69,240.411 311.785,240.411 311.785,253.365 307.594,253.365 307.594,240.411 306.197,240.411 306.197,253.365 300.99,253.365 300.99,263.906 319.659,263.906 319.659,260.604 ccw(c323.85,260.604) 323.85,256.413 327.152,256.413
  region net C1P: 232.791,249.047 246.253,249.047 246.253,240.411 248.158,240.411 248.158,253.365 252.349,253.365 252.349,240.411 254.127,240.411 254.127,253.365 259.064,253.365 259.064,263.906 240.284,263.906 240.284,260.604 cw(c236.093,260.604) 236.093,256.413 232.791,256.413
  region net IL+: 273.304,257.048 266.446,263.906 273.304,263.906
  region net +3V3: 249.301,200.78 243.205,200.78 243.205,200.018 243.459,199.764 249.301,199.764
  region net +5: 249.301,208.661 243.205,208.661 243.205,207.899 243.459,207.645 249.301,207.645
  region net C1N: 299.141,233.493 299.141,230.886 277.241,230.886 277.241,233.493 299.141,233.493
  region net C1N: 299.141,233.493 299.141,230.886 277.241,230.886 277.241,233.493 299.141,233.493
  region net C1N: 299.141,233.493 299.141,230.886 277.241,230.886 277.241,233.493 299.141,233.493
  region net B_HS: 298.577,258.445 298.577,251.206 301.503,248.28 301.495,234.188 290.83,234.188 290.83,250.825 287.147,254.508 287.147,258.445
  region net A_HS: 259.715,260.148 259.715,252.73 257.937,252.73 257.937,234.188 268.989,234.188 268.982,254.512 263.346,260.148
  region net Iout-: 327.152,228.854 314.579,228.854 314.579,244.348 327.152,244.348
  region net B_HS: 300.355,258.191 300.355,263.906 287.147,263.906 287.147,258.191
  region net IL+: 273.05,234.188 286.004,234.188 286.004,263.906 273.05,263.906
  region net Iin+: 232.791,228.219 245.364,228.219 245.364,244.348 232.791,244.348
  region net C1N: 232.791,227.203 246.253,227.203 246.253,239.522 249.809,239.522 249.809,252.476 251.206,252.476 251.206,239.522 255.651,239.522 255.651,252.476 257.048,252.476 257.048,233.519 262.851,233.519 262.851,231.648 269.113,231.648 299.212,231.648 309.372,231.648 309.372,234.569 302.895,234.569 302.895,252.476 304.419,252.476 304.419,239.522 308.737,239.522 308.737,252.476 310.261,252.476 310.261,239.522 313.69,239.522 313.69,227.203 327.152,227.203 327.152,216.662 232.791,216.662
Mid Layer 2:
  region net C2P: 327.152,249.047 313.69,249.047 311.785,249.047 311.785,253.365 307.594,253.365 305.816,253.365 302.006,253.365 302.006,263.906 319.659,263.906 319.659,260.604 ccw(c323.85,260.604) 323.85,256.413 327.152,256.413
  region net C1P: 232.791,249.301 248.158,249.301 248.158,253.365 252.349,253.365 254.127,253.365 259.064,253.365 259.064,263.906 240.284,263.906 240.284,260.604 cw(c236.093,260.604) 236.093,256.413 232.791,256.413
  region net Iin+: 232.791,228.219 245.364,228.219 245.364,244.348 232.791,244.348
  pour cut-out: 299.078,234.296 293.248,234.296 292.716,234.828 292.716,246.645 291.603,247.758 291.603,250.253 287.382,254.473 287.382,262.25 287.914,262.782 299.334,262.782 299.866,262.25 299.866,259.72 299.396,259.25 296.83,259.25 296.31,258.73 296.31,250.794 296.83,250.274 297.618,250.274 298.088,249.804 298.088,240.418 298.838,239.668 299.334,239.668 299.804,239.198 299.804,235.023
  pour cut-out: 285.364,261.131 285.896,260.599 285.896,252.735 285.546,252.384 285.701,252.229 285.701,247.995 284.056,246.349 284.056,236.671 281.808,234.423 277.5,234.423 274.174,237.749 274.174,260.599 274.706,261.131
  pour cut-out: 260.865,257.702 263.139,257.702 267.227,253.614 267.227,235.082 266.695,234.55 258.918,234.55 258.299,235.169 258.299,252.076 259.461,253.238 259.461,257.683
  region net Iout-: 327.152,228.854 314.579,228.854 314.579,243.84 315.087,244.348 327.152,244.348
Mid Layer 1:
  region net C1P: 232.791,249.047 246.253,249.047 246.253,240.411 248.158,240.411 248.158,253.365 252.349,253.365 252.349,240.411 254.127,240.411 254.127,253.365 259.064,253.365 259.064,263.906 240.284,263.906 240.284,260.604 cw(c236.093,260.604) 236.093,256.413 232.791,256.413
  region net C2P: 327.152,249.047 313.69,249.047 313.69,240.411 311.785,240.411 311.785,253.365 307.594,253.365 307.594,240.411 306.07,240.411 306.07,253.365 300.99,253.365 300.99,263.906 319.659,263.906 319.659,260.604 ccw(c323.85,260.604) 323.85,256.413 327.152,256.413
  pour cut-out: 259.761,198.559 258.237,198.559 258.237,200.083 259.761,200.083
  pour cut-out: 278.257,192.151 276.733,192.151 276.733,193.675 278.257,193.675
  pour cut-out: 278.257,196.85 276.733,196.85 276.733,198.374 278.257,198.374
  pour cut-out: 272.669,191.77 271.145,191.77 271.145,193.294 272.669,193.294
  pour cut-out: 272.669,197.231 271.145,197.231 271.145,198.755 272.669,198.755
  pour cut-out: 267.081,191.77 265.557,191.77 265.557,193.294 267.081,193.294
  pour cut-out: 259.786,212.971 258.262,212.971 258.262,214.495 259.786,214.495
  pour cut-out: 267.081,197.358 265.557,197.358 265.557,198.882 267.081,198.882
  pour cut-out: 263.271,194.056 261.747,194.056 261.747,195.58 263.271,195.58
  region net IL+: 273.304,257.048 266.446,263.906 273.304,263.906
  region net B_HS: 298.577,258.445 298.577,251.206 301.501,248.282 301.493,234.188 290.83,234.188 290.83,250.825 287.147,254.508 287.147,258.445
  region net A_HS: 259.715,260.148 259.715,252.73 257.937,252.73 257.937,234.188 268.99,234.188 268.983,254.511 263.346,260.148
  region net B_HS: 300.355,258.191 300.355,263.906 287.147,263.906 287.147,258.191
  region net IL+: 273.05,234.188 286.004,234.188 286.004,263.906 273.05,263.906
  region net C1N: 232.791,227.203 246.253,227.203 246.253,239.522 249.809,239.522 249.809,252.476 251.206,252.476 251.206,239.522 255.651,239.522 255.651,252.476 257.048,252.476 257.048,233.519 262.851,233.519 262.851,231.648 269.113,231.648 299.212,231.648 309.372,231.648 309.372,234.569 302.895,234.569 302.895,252.476 304.419,252.476 304.419,239.522 308.737,239.522 308.737,252.476 310.261,252.476 310.261,239.522 313.69,239.522 313.69,227.203 327.152,227.203 327.152,216.662 232.791,216.662
  region net Iout-: 327.152,228.854 314.579,228.854 314.579,244.348 327.152,244.348
  region net Iin+: 232.791,228.219 245.364,228.219 245.364,244.348 232.791,244.348
Mid Layer 4:
  region net C2P: 327.152,249.047 313.69,249.047 313.69,240.411 311.785,240.411 311.785,253.365 307.594,253.365 307.594,240.411 306.07,240.411 306.07,253.365 300.99,253.365 300.99,263.906 319.659,263.906 319.659,260.604 ccw(c323.85,260.604) 323.85,256.413 327.152,256.413
  region net C1P: 232.791,249.047 246.253,249.047 246.253,240.411 248.158,240.411 248.158,253.365 252.349,253.365 252.349,240.411 254.127,240.411 254.127,253.365 259.064,253.365 259.064,263.906 240.284,263.906 240.284,260.604 cw(c236.093,260.604) 236.093,256.413 232.791,256.413
  pour cut-out: 278.257,192.151 276.733,192.151 276.733,193.675 278.257,193.675
  pour cut-out: 278.257,196.85 276.733,196.85 276.733,198.374 278.257,198.374
  pour cut-out: 272.669,191.77 271.145,191.77 271.145,193.294 272.669,193.294
  pour cut-out: 272.669,197.231 271.145,197.231 271.145,198.755 272.669,198.755
  pour cut-out: 267.081,191.77 265.557,191.77 265.557,193.294 267.081,193.294
  pour cut-out: 267.081,197.358 265.557,197.358 265.557,198.882 267.081,198.882
  pour cut-out: 263.271,194.056 261.747,194.056 261.747,195.58 263.271,195.58
  pour cut-out: 259.761,198.559 258.237,198.559 258.237,200.083 259.761,200.083
  pour cut-out: 259.786,212.971 258.262,212.971 258.262,214.495 259.786,214.495
  region net IL+: 273.304,257.048 266.446,263.906 273.304,263.906
  region net B_HS: 298.577,258.445 298.577,251.206 301.501,248.282 301.493,234.188 290.83,234.188 290.83,250.825 287.147,254.508 287.147,258.445
  region net A_HS: 259.715,260.148 259.715,252.73 257.937,252.73 257.937,234.188 268.989,234.188 268.982,254.512 263.346,260.148
  region net B_HS: 300.355,258.191 300.355,263.906 287.147,263.906 287.147,258.191
  region net IL+: 273.05,234.188 286.004,234.188 286.004,263.906 273.05,263.906
  region net C1N: 232.791,227.203 246.253,227.203 246.253,239.522 249.809,239.522 249.809,252.476 251.206,252.476 251.206,239.522 255.651,239.522 255.651,252.476 257.048,252.476 257.048,233.519 262.851,233.519 262.851,231.648 269.113,231.648 299.212,231.648 309.372,231.648 309.372,234.569 302.895,234.569 302.895,252.476 304.419,252.476 304.419,239.522 308.737,239.522 308.737,252.476 310.261,252.476 310.261,239.522 313.69,239.522 313.69,227.203 327.152,227.203 327.152,216.662 232.791,216.662
  region net Iout-: 327.152,228.854 314.579,228.854 314.579,244.348 327.152,244.348
  region net Iin+: 232.791,228.219 245.364,228.219 245.364,244.348 232.791,244.348